# Altium PCB LimeSDR_1v2s.PcbDoc (part 2 of 9)
Units mm, origin at the board's own origin, x right, y up, seen from the top; angles counter-clockwise.
Board outline 100 x 60 mm, 12 copper layers (Top, L2, L3, L4, L5, L6, L7, L8, L9, L10, L11, Bottom), stack 1.58 mm thick; 795 components, 584 nets, 3854 pads, 2079 vias.
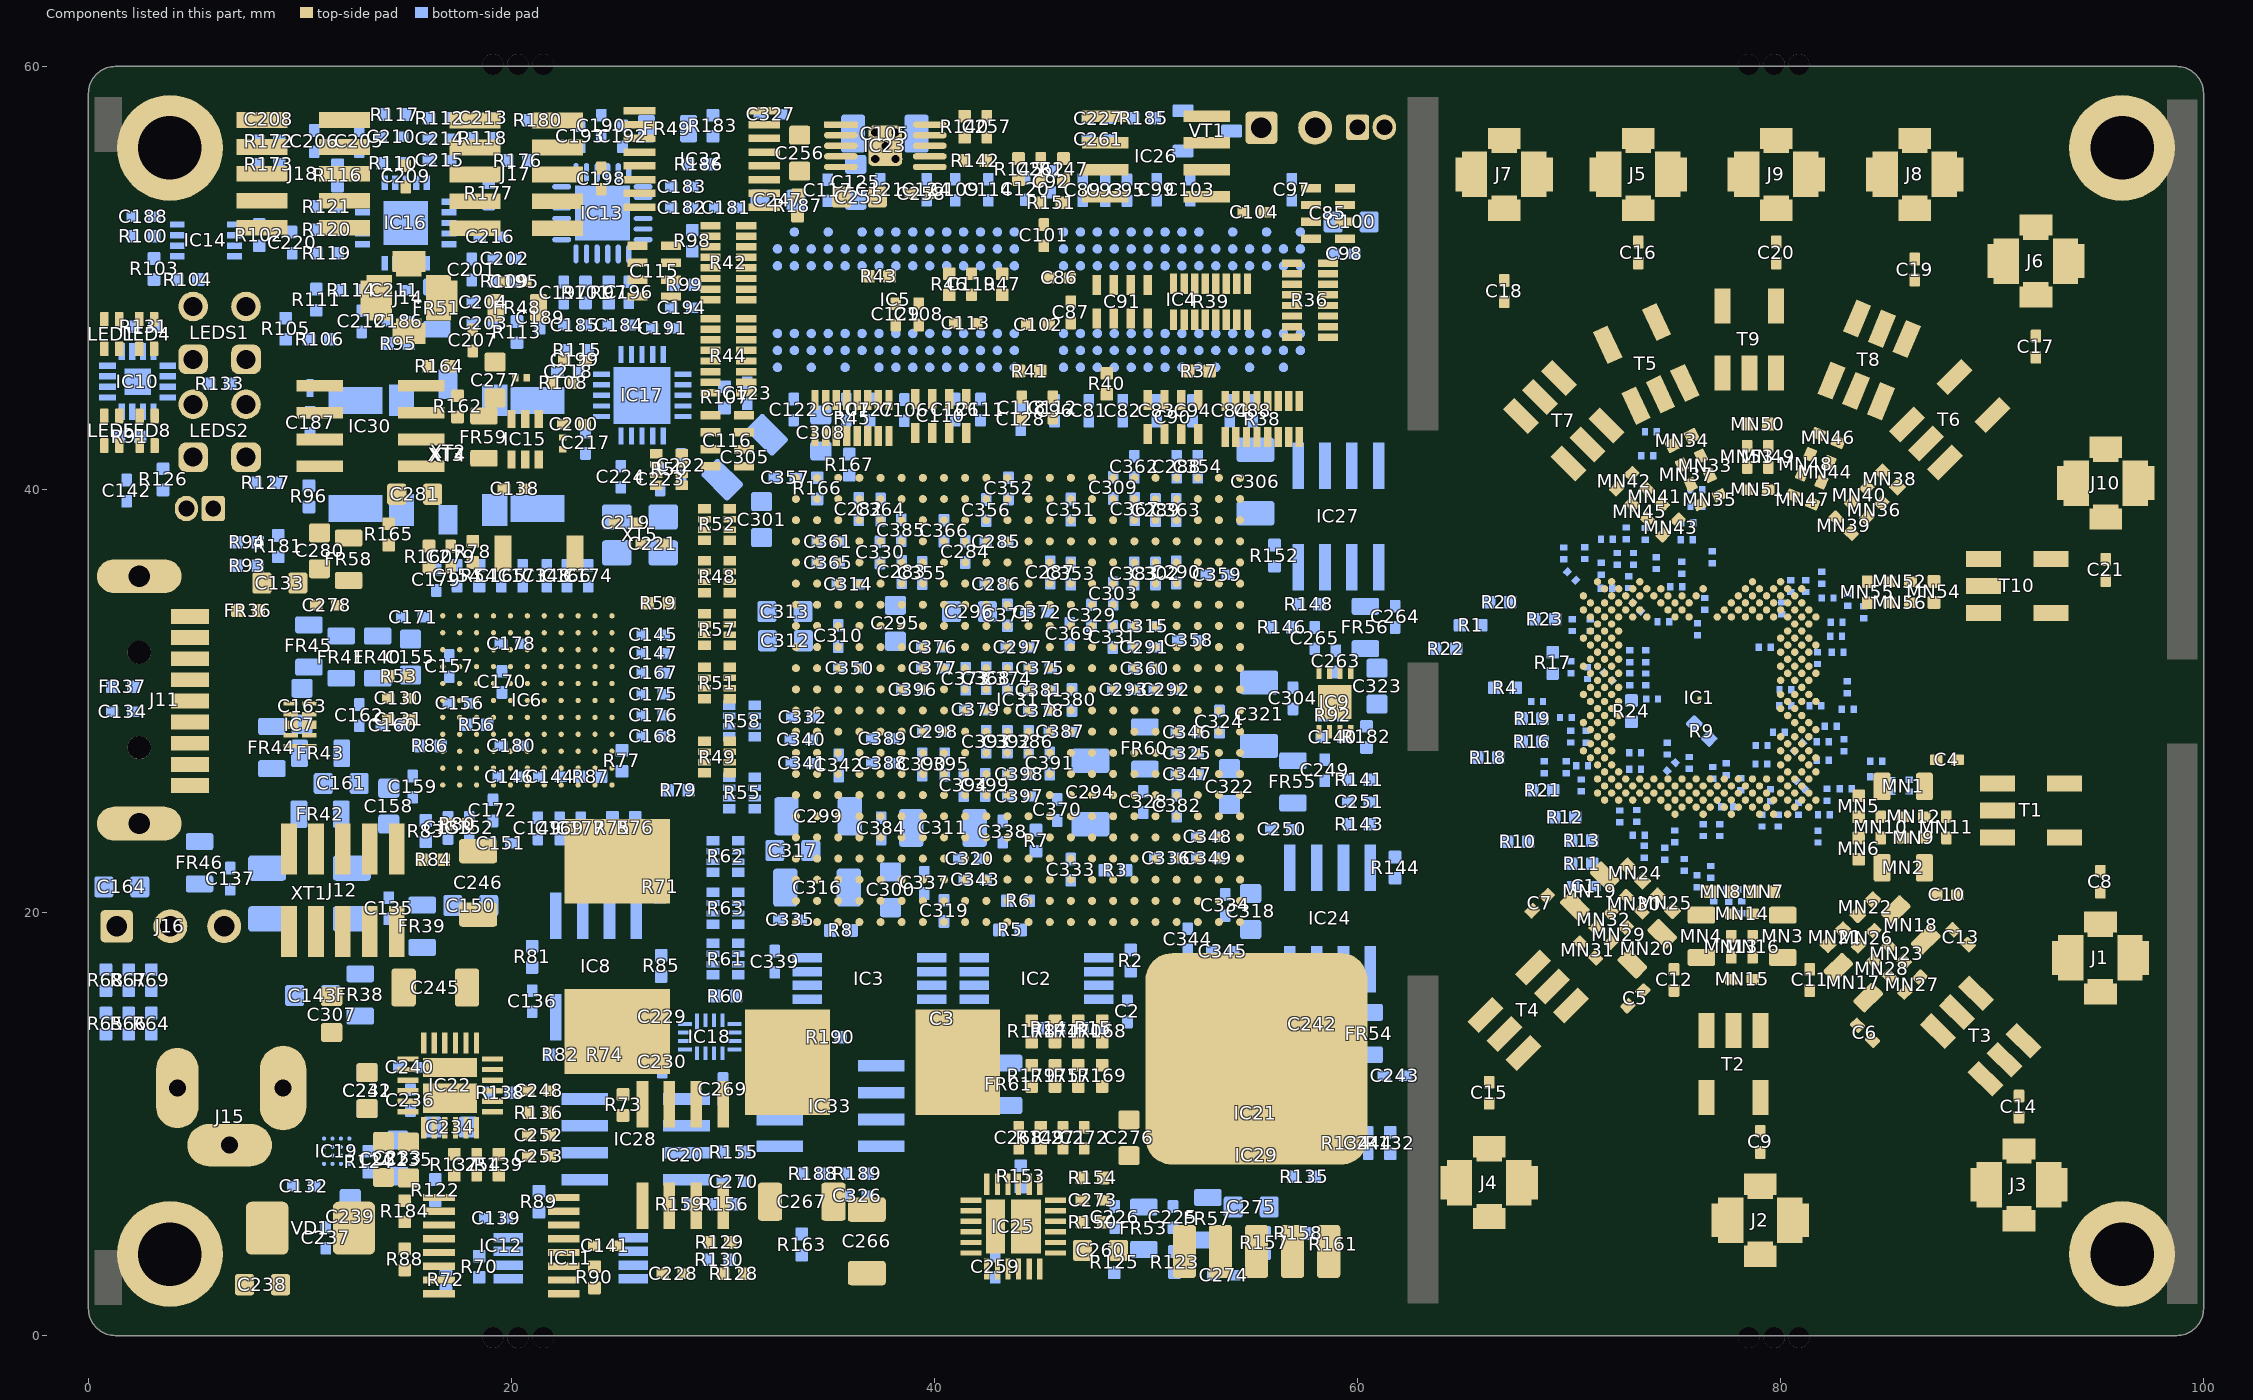
[diagram p12: the components of this part, seen from the top]

## Components (designator, comment, footprint, x,y, rotation, side; value= is the part's Value field where it differs from the comment) (continued)
FR53 "600R@100MHz" RES0805#1 49.9,5.075 r90 bottom
FR54 "600R@100MHz" RES0805#1 60.55,14.275 r270 bottom
FR55 "600R@100MHz" RES0805#1 56.95,26.175 r270 bottom
FR56 "600R@100MHz" RES0805#1 60.375,33.475 r90 bottom
FR57 "600R@100MHz" RES0805#1 52.925,5.525 r90 bottom
FR58 "600R@100MHz" RES0805#2 12.3,36.7 r90 top
FR59 "600R@100MHz" RES0805#2 18.7,42.475 r270 top
FR60 "600R@100MHz" RES0805#1 49.95,27.775 r270 bottom
FR61 "600R@100MHz" RES0805#1 43.5,11.875 r90 bottom
IC1 "LMS7002M" LMS7002M 76.341,30.138 r180 top locked
IC2 "24FC64F" 24FC512 44.825,16.875 r0 bottom
IC3 "24FC512" 24FC512 36.925,16.875 r0 bottom
IC4 "AS4C64M16D2-25BCN" AS4C64M16D2 51.7,48.975 r270 bottom locked
IC5 "AS4C64M16D2-25BCN" AS4C64M16D2 38.175,48.975 r90 bottom locked
IC6 "CYUSB3014-BZXC" CYP-BZX121 20.75,30.025 r90 top locked
IC7 "SP3010-04UTG" SP3010-04UTG 10,28.875 r270 top
IC8 "M25P40" M25P40-VMN6TPB_SO8N 24,17.45 r270 bottom
IC9 "LM75" HWSON8_LM75 58.925,29.95 r270 top
IC10 "MAX7322" MAX7322ATE_QFN16 2.325,45.1 r0 bottom
IC11 "24FC64F" 24FC512 22.8,3.65 r180 bottom
IC12 "SC18IS602B" SC18IS602B_TSSOP16 19.525,4.25 r0 top
IC13 "LMK00105" LMK00105SQ 24.3,53.063 r90 bottom
IC14 "NC7SV74K8XCT" NC7SV74K8XCT 5.55,51.775 r180 bottom
IC15 "AD5601BKSZ-REEL7" AD5601_SOT23-6 20.65,42.375 r90 top
IC16 "ADF4002" ADF4002 15,52.6 r180 bottom
IC17 "Si5351C" Si5351C_20QFN 26.175,44.45 r270 bottom locked
IC18 "SN74AVC4T774" SN74AVC4T774 29.375,14.125 r0 bottom
IC19 "FPF3042" FPF3042 11.738,8.713 r90 bottom
IC20 "MIC37122" "MIC37122YM TR_SO8" 28.1,8.525 r90 top
IC21 "MIC37122" "MIC37122YM TR_SO8" 55.2,10.5 r180 bottom
IC22 "ADP2386" ADP2386 17.1,11.825 r180 top
IC23 "RT9026" MSOP10 35.575,57.25 r0 top
IC24 "MIC37122" "MIC37122YM TR_SO8" 58.7,19.725 r270 bottom
IC25 "ADP2386" ADP2386 43.725,5.15 r270 top
IC26 "MIC37122" "MIC37122YM TR_SO8" 50.475,55.75 r0 top
IC27 "MIC37122" "MIC37122YM TR_SO8" 59.1,38.725 r90 bottom
IC28 "MIC37122" "MIC37122YM TR_SO8" 25.875,9.275 r180 bottom
IC29 "LP38503TS" TO-263-5_v2 55.225,10.025 r90 top locked
IC30 "SPX3819S-L/TR" "MIC37122YM TR_SO8" 13.325,43 r180 top
IC31 "EP4CE40F23C8N" FBGA484_A-240 43.95,30.05 r180 top locked
IC32 "TS3A5018PWR" TS3A5018PWR 29,55.625 r0 top
IC33 "M25P16" M25P40-VMN6TPB_SO8N 35.075,10.85 r0 bottom
J1 "U.FL/MMCX" MMCX_UFL_conn_u 95.125,17.85 r0 top
J2 "U.FL/MMCX" MMCX_UFL_conn_u 79.04,5.45 r0 top
J3 "U.FL/MMCX" MMCX_UFL_conn_u 91.275,7.125 r0 top
J4 "U.FL/MMCX" MMCX_UFL_conn_u 66.225,7.225 r0 top
J5 "U.FL/MMCX" MMCX_UFL_conn_u 73.275,54.9 r180 top
J6 "U.FL/MMCX" MMCX_UFL_conn_u 92.075,50.8 r180 top
J7 "U.FL/MMCX" MMCX_UFL_conn_u 66.934,54.9 r180 top
J8 "U.FL/MMCX" MMCX_UFL_conn_u 86.35,54.9 r180 top
J9 "U.FL/MMCX" MMCX_UFL_conn_u 79.8,54.9 r180 top
J10 "U.FL/MMCX" MMCX_UFL_conn_u 95.375,40.3 r180 top
J11 "USB3.0_MALE" USB3A_SM 3.6,30.05 r90 top locked
J12 "FX3 JTAG" SWD_10_PIN 12.025,21.05 r0 top locked
J13 "Jumper" HDR_1X2_HALF_PITCH 5.9,39.1 r270 top
J14 "U.FL/MMCX" MMCX_UFL_conn_u 15.15,49.075 r180 top
J15 "CONN_PWR_JACK_2.1x5.5mm" CONN_PWR_JACK_V3 -4.475,11.7 r90 top
J16 "Header 3x1 pin" HDR_1x3 3.875,19.35 r90 top
J17 "FPGA JTAG" SWD_10_PIN 20.225,54.9 r270 top
J18 "FPGA GPIO" SWD_10_PIN 10.15,54.925 r270 top
J19 "FAN" HDR_1x2 56.725,57.1 r90 top
J20 "FAN" HDR_1X2_HALF_PITCH 60,57.125 r90 top
JMP1 "1 pcs." MECH_JUMPER_HALF_PITCH 6.6,39.125 r180 top
L1 "1.5uH" FDVE1040_TOKO_INDUCTOR 25,18.4 r90 top
L2 "1uH" FDVE1040_TOKO_INDUCTOR 37.075,12.925 r180 top
LED1 "LED_RG_SMD" LED-2X0603 1.125,47.275 r270 top
LED4 "LED_RG_SMD" LED-2X0603 2.775,47.275 r270 top
LED5 "LED_RG_SMD" LED-2X0603 1.125,42.7 r270 top
LED8 "LED_RG_SMD" LED-2X0603 2.8,42.7 r270 top
LEDS1 "2xLED standoff" LED_STANDOFF_H-201C 6.2,47.4 r90 top locked
LEDS2 "2xLED standoff" LED_STANDOFF_H-201C 6.2,42.775 r90 top locked
MECH1 "# pcs." PCB_STANDOFF 96.15,56.15 r0 top
MECH2 "# pcs." PCB_STANDOFF 3.85,3.85 r0 top locked
MECH3 "# pcs." PCB_STANDOFF 96.15,3.85 r0 top
MECH4 "# pcs." PCB_STANDOFF 3.85,56.15 r0 top
MN1 "100uH" RES0805#2 85.805,25.958 r0 top
MN2 "100uH" RES0805#2 85.805,22.113 r0 top
MN3 "100uH" RES0805#2 80.105,18.874 r270 top
MN4 "100uH" RES0805#2 76.26,18.874 r270 top
MN5 "47nH" RES0402#1 83.695,25.023 r90 top
MN6 "47nH" RES0402#1 83.695,23.023 r270 top
MN7 "47nH" RES0402#1 79.18,20.984 r0 top
MN8 "47nH" RES0402#1 77.181,20.984 r180 top
MN9 "100nF, 10%" CAP0402#2 86.295,23.523 r180 top
MN10 "0.5pF" CAP0402#2 84.735,24.022 r270 top
MN11 "2pF" CAP0402#2 87.845,24.023 r270 top
MN12 "100nF, 10%" CAP0402#2 86.295,24.523 r0 top
MN13 "100nF, 10%" CAP0402#2 77.68,18.384 r90 top
MN14 "0.5pF" CAP0402#2 78.18,19.934 r180 top
MN15 "2pF" CAP0402#2 78.18,16.834 r180 top
MN16 "100nF, 10%" CAP0402#2 78.68,18.384 r270 top
MN17 "0uH (0R)" RES0805#2 83.437,16.687 r315 top
MN18 "0uH (0R)" RES0805#2 86.155,19.406 r315 top
MN19 "0uH (0R)" RES0805#2 70.982,21.004 r225 top
MN20 "0uH (0R)" RES0805#2 73.701,18.286 r225 top
MN21 "8.2nH, 5%" RES0402#1 82.596,18.83 r225 top
MN22 "8.2nH, 5%" RES0402#1 84.01,20.244 r45 top
MN23 "0.8pF" CAP0402#2 85.495,18.041 r135 top
MN24 "8.2nH, 5%" RES0402#1 73.125,21.845 r135 top
MN25 "8.2nH, 5%" RES0402#1 74.539,20.431 r315 top
MN26 "1pF" CAP0402#2 84.046,18.784 r225 top
MN27 "0.5pF" CAP0402#2 86.238,16.592 r45 top
MN28 "0.8pF" CAP0402#2 84.788,17.334 r135 top
MN29 "0.8pF" CAP0402#2 72.347,18.946 r45 top
MN30 "1pF" CAP0402#2 73.089,20.396 r135 top
MN31 "0.5pF" CAP0402#2 70.897,18.204 r315 top
MN32 "0.8pF" CAP0402#2 71.64,19.653 r45 top
MN33 "510pF" CAP0402#2 76.45,41.121 r295 top
MN34 "8.2nH, 5%" RES0402#1 75.342,42.314 r25 top
MN35 "1.2pF" CAP0402#2 76.652,39.516 r25 top
MN36 "510pF" CAP0402#2 84.432,39.023 r225 top
MN37 "510pF" CAP0402#2 75.544,40.698 r295 top
MN38 "8.2nH, 5%" RES0402#1 85.174,40.472 r315 top
MN39 "1.2pF" CAP0402#2 82.982,38.291 r315 top
MN40 "510pF" CAP0402#2 83.724,39.73 r225 top
MN41 "2pF" CAP0402#2 74.057,39.651 r315 top
MN42 "0.5pF" CAP0402#2 72.607,40.393 r45 top
MN43 "1pF" CAP0402#2 74.799,38.201 r45 top
MN44 "2pF" CAP0402#2 82.125,40.811 r247.5 top
MN45 "2pF" CAP0402#2 73.349,38.944 r315 top
MN46 "0.5pF" CAP0402#2 82.256,42.434 r337.5 top
MN47 "1pF" CAP0402#2 81.051,39.524 r337.5 top
MN48 "2pF" CAP0402#2 81.201,41.194 r247.5 top
MN49 "100pF, 5%" CAP0402#2 79.426,41.542 r270 top
MN50 "10nH, 5%" RES0402#1 78.926,43.092 r0 top
MN51 "0.8pF" CAP0402#2 78.926,39.992 r180 top
MN52 "100pF, 5%" CAP0402#2 85.644,35.638 r180 top
MN53 "100pF, 5%" CAP0402#2 78.426,41.542 r270 top
MN54 "10nH, 5%" RES0402#1 87.254,35.154 r90 top
MN55 "0.8pF" CAP0402#2 84.094,35.138 r270 top
MN56 "100pF, 5%" CAP0402#2 85.644,34.649 r180 top
NT1 "NetTie" NetTie_Wide2 11.3,37.525 r90 top net-tie
R1 "49.9R, 1%" RES0402#2 65.35,33.575 r180 bottom
R2 "10k, 1%" RES0402#2 49.275,17.725 r90 bottom
R3 "10k, 1%" RES0402#2 48.55,22 r0 bottom
R4 "49.9R, 1%" RES0402#2 66.975,30.625 r180 bottom
R5 "10k, 1%" RES0402#2 43.575,19.175 r0 bottom
R6 "10k, 1%" RES0402#2 43.95,20.55 r0 bottom
R7 "10k, 1%" RES0402#2 44.8,23.4 r90 bottom
R8 "10k, 1%" RES0402#2 35.575,19.15 r180 bottom
R9 "10k, 1%" RES0402#2 76.275,28.575 r135 bottom
R10 "49.9R, 1%" RES0402#2 67.575,23.35 r180 bottom
R11 "49.9R, 1%" RES0402#2 70.6,22.3 r180 bottom
R12 "49.9R, 1%" RES0402#2 69.8,24.5 r180 bottom
R13 "49.9R, 1%" RES0402#2 70.6,23.4 r180 bottom
R14 "2k2, 1%" RES0402#2 45.4,14.525 r180 bottom
R15 "2k2, 1%" RES0402#2 47.5,14.525 r180 bottom
R16 "0R" RES0402#2 68.25,28.075 r180 bottom
R17 "0R" RES0402#2 69.225,31.8 r270 bottom
R18 "0R" RES0402#2 66.15,27.325 r180 bottom
R19 "0R" RES0402#2 68.251,29.169 r0 bottom
R20 "0R" RES0402#2 66.725,34.675 r180 bottom
R21 "0R" RES0402#2 68.75,25.775 r0 bottom
R22 "0R" RES0402#2 64.175,32.475 r180 bottom
R23 "0R" RES0402#2 68.851,33.869 r0 bottom
R24 "0R" RES0402#2 72.951,29.519 r90 bottom
R25 "0R" RES0201 73.556,22.874 r270 bottom
R26 "0R" RES0201 79.526,25.544 r270 bottom
R27 "10R" RES0201 85.271,25.985 r270 bottom
R28 "0R" RES0201 79.095,27.019 r180 bottom
R29 "0R" RES0201 74.651,27.749 r270 bottom
R30 "0R" RES0201 82.001,27.194 r0 bottom
R31 "0R" RES0201 80.847,27.819 r225 bottom
R32 "0R" RES0201 75.57,37.625 r0 bottom
R33 "10R" RES0201 82.055,24.629 r0 bottom
R34 "10R" RES0201 72.701,37.924 r270 bottom
R35 "10R" RES0201 70.751,36.994 r270 bottom
R36 "8x56R" EXB2HV 57.75,48.95 r0 top
R37 "100R, 1%" RES0402#1 52.5,45.6 r0 top
R38 "8x56R" EXB2HV 55.5,43.325 r270 top
R39 "8x56R" EXB2HV 53.05,48.875 r270 top
R40 "100R, 1%" RES0402#1 48.15,45 r90 top
R41 "100R, 1%" RES0402#1 44.5,45.6 r0 top
R42 "8x56R" EXB2HV 30.25,50.725 r180 top
R43 "100R, 1%" RES0402#1 37.375,50.075 r180 top
R44 "8x56R" EXB2HV 30.25,46.325 r180 top
R45 "8x56R" EXB2HV 36.1,43.375 r270 top
R46 "100R, 1%" RES0402#1 40.7,49.7 r90 top
R47 "100R, 1%" RES0402#1 43.2,49.7 r90 top
R48 "22R" ChipResistorArray 29.725,35.875 r0 top
R49 "22R" ChipResistorArray 29.725,27.35 r180 top
R50 "22R" ChipResistorArray 27.45,40.95 r0 top
R51 "22R" ChipResistorArray 29.725,30.85 r180 top
R52 "22R" ChipResistorArray 29.725,38.35 r0 top
R53 "0R" RES0402#1 14.675,31.175 r0 top
R54 "6.04K, 1%" RES0402#2 18.475,35.925 r270 bottom
R55 "22R" ChipResistorArray 30.9,25.65 r180 bottom
R56 "200R, 1%" RES0402#2 18.35,28.875 r180 bottom
R57 "22R" ChipResistorArray 29.725,33.375 r0 top
R58 "22R" ChipResistorArray 30.9,29.05 r180 bottom
R59 "22R" RES0402#1 26.95,34.625 r180 top
R60 "22R" RES0402#2 30.125,16.05 r0 bottom
R61 "22R" ChipResistorArray 30.125,17.8 r0 bottom
R62 "22R" ChipResistorArray 30.125,22.65 r0 bottom
R63 "22R" ChipResistorArray 30.125,20.2 r0 bottom
R64 "10k, 1%" RES0402#2 2.975,14.75 r90 bottom
R65 "10k, 1%" RES0402#2 0.825,14.75 r90 bottom
R66 "10k, 1%" RES0402#2 1.9,14.75 r90 bottom
R67 "0R" RES0402#2 1.9,16.8 r270 bottom
R68 "0R" RES0402#2 0.825,16.8 r270 bottom
R69 "0R" RES0402#2 2.975,16.8 r270 bottom
R70 "0R" RES0402#2 18.475,3.25 r90 bottom
R71 "0R" RES0402#2 27.025,21.225 r270 bottom
R72 "0R" RES0402#2 16.9,2.625 r90 bottom
R73 "0R" RES0402#1 25.275,10.9 r270 top
R74 "100K" RES0402#2 24.4,13.275 r0 bottom
R75 "10k, 1%" RES0402#2 24.775,24 r90 bottom
R76 "10k, 1%" RES0402#2 25.85,24 r90 bottom
R77 "10k, 1%" RES0402#2 25.225,27.175 r90 bottom
R78 "100K" RES0402#1 18.175,37.05 r90 top
R79 "10k, 1%" RES0402#2 27.875,25.775 r0 bottom
R80 "0R" RES0402#1 17.425,24.175 r0 top
R81 "4K7" RES0402#2 20.975,17.9 r90 bottom
R82 "4K7" RES0402#2 22.3,13.275 r0 bottom
R83 "10k, 1%" RES0402#2 15.95,23.85 r90 bottom
R84 "0R" RES0402#1 16.3,22.5 r180 top
R85 "4K7" RES0402#2 27.075,17.475 r90 bottom
R86 "10k, 1%" RES0402#2 16.146,27.875 r0 bottom
R87 "10k, 1%" RES0402#2 23.75,26.425 r180 bottom
R88 "10k, 1%" RES0402#1 14.95,3.6 r90 top
R89 "10k, 1%" RES0402#2 21.3,6.325 r90 bottom
R90 "10k, 1%" RES0402#1 23.925,2.75 r90 top
R91 "10k, 1%" RES0402#2 1.95,42.5 r180 bottom
R92 "10k, 1%" RES0402#2 58.825,29.325 r180 bottom
R93 "1k, 1%" RES0402#2 7.5,36.4 r180 bottom
R94 "1k, 1%" RES0402#2 7.5,37.5 r180 bottom
R95 "0R" RES0402#2 14.65,46.9 r180 bottom
R96 "0R" RES0402#2 10.425,39.675 r270 bottom
R97 "49.9R, 1%" RES0402#2 24.6,49.313 r90 bottom
R98 "49.9R, 1%" RES0402#2 28.55,51.763 r90 bottom
R99 "0R" RES0402#2 28.175,49.675 r180 bottom
R100 "0R" RES0402#2 2.6,51.975 r0 bottom
R101 "49.9R, 1%" RES0402#2 23.5,49.313 r90 bottom
R102 "0R" RES0402#2 8.075,52.025 r270 bottom
R103 "0R" RES0402#2 3.1,50.425 r90 bottom
R104 "0R" RES0402#2 4.7,49.925 r0 bottom
R105 "0R" RES0402#2 9.325,47.6 r270 bottom
R106 "0R" RES0402#2 10.925,47.1 r0 bottom
R107 "0R" RES0402#2 30.075,44.35 r270 bottom
R108 "0R" RES0402#1 22.45,45.05 r180 top
R109 "49.9R, 1%" RES0402#2 19.675,49.85 r180 bottom
R110 "10R, 5%" RES0402#2 14.4,55.425 r180 bottom
R111 "1k, 1%" RES0402#2 10.775,48.975 r270 bottom
R112 "470R, 0.5%" RES0402#2 16.6,57.55 r0 bottom
R113 "0R" RES0402#2 20.26,47.443 r270 bottom
R114 "49.9R, 1%" RES0402#2 12.425,49.425 r0 bottom
R115 "0R" RES0402#2 23.1,46.575 r0 bottom
R116 "10k, 1%" RES0402#2 11.775,54.85 r90 bottom
R117 "10k, 1%" RES0402#2 14.475,57.725 r180 bottom
R118 "330R, 5%" RES0402#2 18.65,56.6 r180 bottom
R119 "49.9R, 1%" RES0402#2 11.275,51.175 r0 bottom
R120 "49.9R, 1%" RES0402#2 11.275,52.275 r0 bottom
R121 "49.9R, 1%" RES0402#2 11.275,53.375 r0 bottom
R122 "0R" RES0402#2 16.4,6.875 r270 bottom
R123 "0R" RES0402#2 51.35,3.475 r270 bottom
R124 "0R" RES0402#2 13.263,8.213 r270 bottom
R125 "0R" RES0402#2 48.5,3.475 r270 bottom
R126 "100R, 1%" RES0402#2 3.525,40.475 r90 bottom
R127 "100R, 1%" RES0402#2 8.375,40.325 r0 bottom
R128 "0R" RES0402#1 30.5,2.925 r180 top
R129 "1k5, 1%" RES0402#1 29.85,4.4 r0 top
R130 "1k, 1%" RES0402#2 29.825,3.575 r0 bottom
R131 "249R, 1%" RES0402#2 2.625,47.7 r0 bottom
R132 "0R" RES0402#2 61.55,9.1 r90 bottom
R133 "249R, 1%" RES0402#2 6.2,45 r180 bottom
R134 "806R, 1%" RES0402#2 59.45,9.1 r270 bottom
R135 "1k, 1%" RES0402#2 57.475,7.5 r0 bottom
R136 "10k, 1%" RES0402#1 21.3,10.525 r180 top
R137 "100k, 5%" RES0402#1 17.3,8.075 r270 top
R138 "2.21k, 1%" RES0402#2 19.475,11.475 r0 bottom
R139 "44.2k, 1%" RES0402#1 19.4,8.075 r90 top
R140 "10k, 1%" RES0402#1 41.425,57.15 r270 top
R141 "0R" RES0402#2 60.075,26.275 r180 bottom
R142 "10k, 1%" RES0402#1 41.925,55.55 r180 top
R143 "40R2, 1%" RES0402#2 60.075,24.175 r0 bottom
R144 "100R, 1%" RES0402#2 61.775,22.125 r270 bottom
R145 "0R" RES0402#1 43.975,55.15 r90 top
R146 "0R" RES0402#2 56.425,33.475 r0 bottom
R147 "806R, 1%" RES0402#1 46.1,55.15 r270 top
R148 "249R, 1%" RES0402#2 57.7,34.575 r180 bottom
R149 "10k, 1%" RES0402#1 45.025,9.35 r270 top
R150 "124k, 1%" RES0402#1 47.475,5.35 r0 top
R151 "1k, 1%" RES0402#1 45.525,53.55 r0 top
R152 "1k, 1%" RES0402#2 56.075,36.875 r270 bottom
R153 "10k, 1%" RES0402#2 44.075,7.525 r270 bottom
R154 "66.5k, 1%" RES0402#1 47.475,7.45 r180 top
R155 "0R" RES0402#2 30.5,8.675 r180 bottom
R156 "806R, 1%" RES0402#2 30.05,6.2 r180 bottom
R157 "0R" RES0402#2 55.6,4.375 r90 bottom
R158 "10k, 1%" RES0402#2 57.2,4.825 r0 bottom
R159 "1k, 1%" RES0402#2 27.95,6.2 r0 bottom
R160 "0R" RES0402#1 16.1,36.825 r90 top
R161 "10k, 1%" RES0402#2 58.85,4.325 r270 bottom
R162 "30k, 1%" RES0402#1 17.45,43.925 r90 top
R163 "10k, 1%" RES0402#2 33.725,4.3 r90 bottom
R164 "18k, 1%" RES0402#1 16.575,45.825 r0 top
R165 "0R" RES0402#1 14.2,37.875 r270 top
R166 "49.9R, 1%" RES0402#2 34.45,40.05 r90 bottom
R167 "49.9R, 1%" RES0402#2 35.975,41.175 r270 bottom
R168 "0R" RES0402#1 47.925,14.375 r90 top
R169 "0R" RES0402#1 47.925,12.275 r90 top
R170 "0R" RES0402#1 46.8,14.375 r90 top
R171 "0R" RES0402#1 46.8,12.275 r90 top
R172 "0R" RES0402#2 8.525,56.475 r0 bottom
R173 "0R" RES0402#2 8.525,55.375 r0 bottom
R174 "0R" RES0402#1 45.7,14.375 r90 top
R175 "0R" RES0402#1 45.7,12.275 r90 top
R176 "10k, 1%" RES0402#2 20.3,55.55 r180 bottom
R177 "10k, 1%" RES0402#2 18.925,54 r90 bottom
R178 "0R" RES0402#1 44.6,14.375 r90 top
R179 "0R" RES0402#1 44.6,12.275 r90 top
R180 "1k, 1%" RES0402#2 21.25,57.45 r0 bottom
R181 "0R" RES0402#2 8.975,37.325 r90 bottom
R182 "0R" RES0402#2 60.425,28.3 r270 bottom
R183 "10k, 1%" RES0402#2 29.525,57.2 r90 bottom
R184 "0R" RES0402#1 14.95,5.875 r90 top
R185 "10k, 1%" RES0402#2 49.9,57.55 r180 bottom
R186 "22R" RES0402#2 28.85,55.375 r0 bottom
R187 "100K" RES0402#1 33.525,53.425 r90 top
R188 "4K7" RES0402#2 34.25,7.65 r180 bottom
R189 "4K7" RES0402#2 36.35,7.65 r0 bottom
R190 "4K7" RES0402#2 35.075,14.1 r180 bottom
SW1 "Switch, tactile" SW_TACTILE 21.3,36.975 r0 top
T1 "TC1-1-13MA+" TC1-1-13MA+_v2 91.845,24.823 r90 top
T2 "TC1-1-13MA+" TC1-1-13MA+_v2 77.78,12.834 r0 top
T3 "TCM1-63AX+" TCM1-63AX+_v2 89.466,14.163 r225 top
T4 "TCM1-63AX+" TCM1-63AX+_v2 68.069,15.375 r135 top
T5 "TC1-1-13MA+" TC1-1-13MA+_v2 73.652,45.94 r205 top
T6 "TC1-1-13MA+" TC1-1-13MA+_v2 88.002,43.301 r135 top
T7 "TCM1-63AX+" TCM1-63AX+_v2 69.754,43.247 r45 top
T8 "TCM1-63AX+" TCM1-63AX+_v2 84.187,46.13 r337.5 top
T9 "TC1-1-13MA+" TC1-1-13MA+_v2 78.526,47.092 r180 top
T10 "TC1-1-13MA+" TC1-1-13MA+_v2 91.194,35.438 r90 top
VD1 "SK36A" DIODE_SMB 10.5,5.075 r0 top
VT1 "NDS331N" SOT23-3 52.9,56.95 r0 bottom
XT1 "19.2MHz" CRYSTAL_4-LCC_v2 10.45,20.9 r180 bottom locked
XT2 "30.72 MHz" RAKON_RPT7050A 17,41.775 r90 bottom
XT3 "TCXO 61.44MHz" RAKON_TXCO_61MHz_v2 16.925,41.65 r180 bottom
XT4 "TCXO 30.72MHz" RAKON_TXCO 17,41.775 r90 bottom
XT5 "25MHz" CRYSTAL_4-LCC 26.075,37.85 r0 bottom

## Footprints (in the part's own frame and the unit in brackets; to place one, negate y for a bottom-side part, rotate by r counter-clockwise, add the part's x,y. Pads: shape width x height; smd on the part's side, far side on the other; paste and mask are expansions set on the pad)
24FC512 [mm] "TSOP, 8-Leads, Body 3,00x4,40mm, Pitch 0,65mm, IPC Medium Density"
  rect 1.4x0.45 smd mask+0.05: 1(-2.95,0.975) 2(-2.95,0.325) 3(-2.95,-0.325) 4(-2.95,-0.975) 5(2.95,-0.975) 6(2.95,-0.325) 7(2.95,0.325) 8(2.95,0.975)
  silkscreen extent -3.07,-1.55 1.85,1.87, body extent -3.25,-1.55 3.25,1.55, height 1.19
AD5601_SOT23-6 [mm] "SOT23, 6-Leads, Body 2x1.3mm, Pitch 0.65mm, Lead Span 2.1mm, IPC Medium Density"
  rect 0.85x0.4 smd: 1(-0.95,0.65) 2(-0.95,0) 3(-0.95,-0.65) 4(0.95,-0.65) 5(0.95,0) 6(0.95,0.65)
  silkscreen extent -0.95,-1.1 0.15,1.1, body extent -1.05,-1 1.05,1, height 0.43
ADF4002 [mm]
  rect 0.7x0.3 smd mask+0.05: 1(-2.05,1) 2(-2.05,0.5) 3(-2.05,0) 4(-2.05,-0.5) 5(-2.05,-1) 11(2.05,-1) 12(2.05,-0.5) 13(2.05,0) 14(2.05,0.5) 15(2.05,1)
  rect 0.3x0.7 smd mask+0.05: 6(-1,-1.9) 7(-0.5,-1.9) 8(0,-1.9) 9(0.5,-1.9) 10(1,-1.9) 16(1,1.9) 17(0.5,1.9) 18(0,1.9) 19(-0.5,1.9) 20(-1,1.9)
  rect 2.1x2.1 smd: 21(0,0)
  silkscreen extent -2.98,-2.03 2.2,2.02, body extent -2.02,-2.02 2.02,2.02, height 0.8
ADP2386 [mm] "QFN, 24-Leads, Body 4,00x4,00mm, Pitch 0,50mm, 2x thermal pads, IPC Medium Density"
  rect 1x0.25 smd mask+0.05: 1(-2,1.25) 2(-2,0.75) 3(-2,0.25) 4(-2,-0.25) 5(-2,-0.75) 6(-2,-1.25) 13(2,-1.25) 14(2,-0.75) 15(2,-0.25) 16(2,0.25) 17(2,0.75) 18(2,1.25)
  rect 0.25x1 smd mask+0.05: 7(-1.25,-2) 8(-0.75,-2) 9(-0.25,-2) 10(0.25,-2) 11(0.75,-2) 12(1.25,-2) 19(1.25,2) 20(0.75,2) 21(0.25,2) 22(-0.25,2) 23(-0.75,2) 24(-1.25,2)
  rect 2.55x1.4 smd mask+0.05: 25(0,0.6)
  rect 2.55x0.9 smd mask+0.05: 26(0,-0.85)
  silkscreen extent -2.88,-2.1 2.1,2.1, body extent -2,-2 2,2, height 1
AS4C64M16D2 [mm]
  round 0.45 smd: A1(-3.2,5.6) A2(-2.4,5.6) A3(-1.6,5.6) A7(1.6,5.6) A8(2.4,5.6) A9(3.2,5.6) B1(-3.2,4.8) B2(-2.4,4.8) B3(-1.6,4.8) B7(1.6,4.8) B8(2.4,4.8) B9(3.2,4.8) C1(-3.2,4) C2(-2.4,4) C3(-1.6,4) C7(1.6,4) C8(2.4,4) C9(3.2,4) D1(-3.2,3.2) D2(-2.4,3.2) D3(-1.6,3.2) D7(1.6,3.2) D8(2.4,3.2) D9(3.2,3.2) E1(-3.2,2.4) E2(-2.4,2.4) E3(-1.6,2.4) E7(1.6,2.4) E8(2.4,2.4) E9(3.2,2.4) F1(-3.2,1.6) F2(-2.4,1.6) F3(-1.6,1.6) F7(1.6,1.6) F8(2.4,1.6) F9(3.2,1.6) G1(-3.2,0.8) G2(-2.4,0.8) G3(-1.6,0.8) G7(1.6,0.8) G8(2.4,0.8) G9(3.2,0.8) H1(-3.2,0) H2(-2.4,0) H3(-1.6,0) H7(1.6,0) H8(2.4,0) H9(3.2,0) J1(-3.2,-0.8) J2(-2.4,-0.8) J3(-1.6,-0.8) J7(1.6,-0.8) J8(2.4,-0.8) J9(3.2,-0.8) K2(-2.4,-1.6) K3(-1.6,-1.6) K7(1.6,-1.6) K8(2.4,-1.6) K9(3.2,-1.6) L1(-3.2,-2.4) L2(-2.4,-2.4) L3(-1.6,-2.4) L7(1.6,-2.4) L8(2.4,-2.4) M2(-2.4,-3.2) M3(-1.6,-3.2) M7(1.6,-3.2) M8(2.4,-3.2) M9(3.2,-3.2) N1(-3.2,-4) N2(-2.4,-4) N3(-1.6,-4) N7(1.6,-4) N8(2.4,-4) P2(-2.4,-4.8) P3(-1.6,-4.8) P7(1.6,-4.8) P8(2.4,-4.8) P9(3.2,-4.8) R1(-3.2,-5.6) R2(-2.4,-5.6) R3(-1.6,-5.6) R7(1.6,-5.6) R8(2.4,-5.6)
  silkscreen extent -4.42,-6.4 4.1,6.72, body extent -4,-6.25 4,6.25, height 1.25
CAP0201 [mm]
  rect 0.3x0.35 smd: 1(-0.28,0) 2(0.28,0)
  silkscreen extent -0.2,-0.33 0.2,0.33, body extent -0.3,-0.15 0.3,0.15, height 0.25
CAP0402#1 [mm] "Chip Capacitor, Body 1.0x0.5mm, 0402, IPC Medium Density"
  round 0.2 on Mech14: 0(0,0)
  rrect20% 0.6x0.5 smd: 1(-0.5,0) 2(0.5,0)
  Top pour cut-out: -0.2,0.35 0.2,0.35 0.2,-0.35 -0.2,-0.35
  silkscreen extent -1.05,-0.5 1.05,0.5, body extent -0.52,-0.27 0.53,0.28, height 0.55
CAP0402#2 [mm] "Chip Capacitor, Body 1.0x0.5mm, 0402, IPC Medium Density"
  round 0.2 on Mech15: 0(0,0)
  rrect20% 0.6x0.5 smd: 1(-0.5,0) 2(0.5,0)
  Top pour cut-out: -0.2,0.35 0.2,0.35 0.2,-0.35 -0.2,-0.35
  silkscreen extent -1.05,-0.5 1.05,0.5, body extent -0.52,-0.27 0.53,0.28, height 0.55
CAP0603#1 [mm] "Chip Capacitor, Body 1.6x0.8mm, 0603, IPC Medium Density"
  round 0.254 on Mech14: 0(0,0)
  rrect25% 0.9x1 smd: 1(-0.85,0) 2(0.85,0)
  Top pour cut-out: -0.4,0.6 0.4,0.6 0.4,-0.6 -0.4,-0.6
  silkscreen extent -0.18,-0.48 0.18,0.48, body extent -0.85,-0.45 0.85,0.45, height 0.89
CAP0603#2 [mm] "Chip Capacitor, Body 1.6x0.8mm, 0603, IPC Medium Density"
  round 0.254 on Mech15: 0(0,0)
  rrect25% 0.9x1 smd: 1(-0.85,0) 2(0.85,0)
  Top pour cut-out: -0.4,0.6 0.4,0.6 0.4,-0.6 -0.4,-0.6